# KiCad board panel.kicad_pcb (continued)
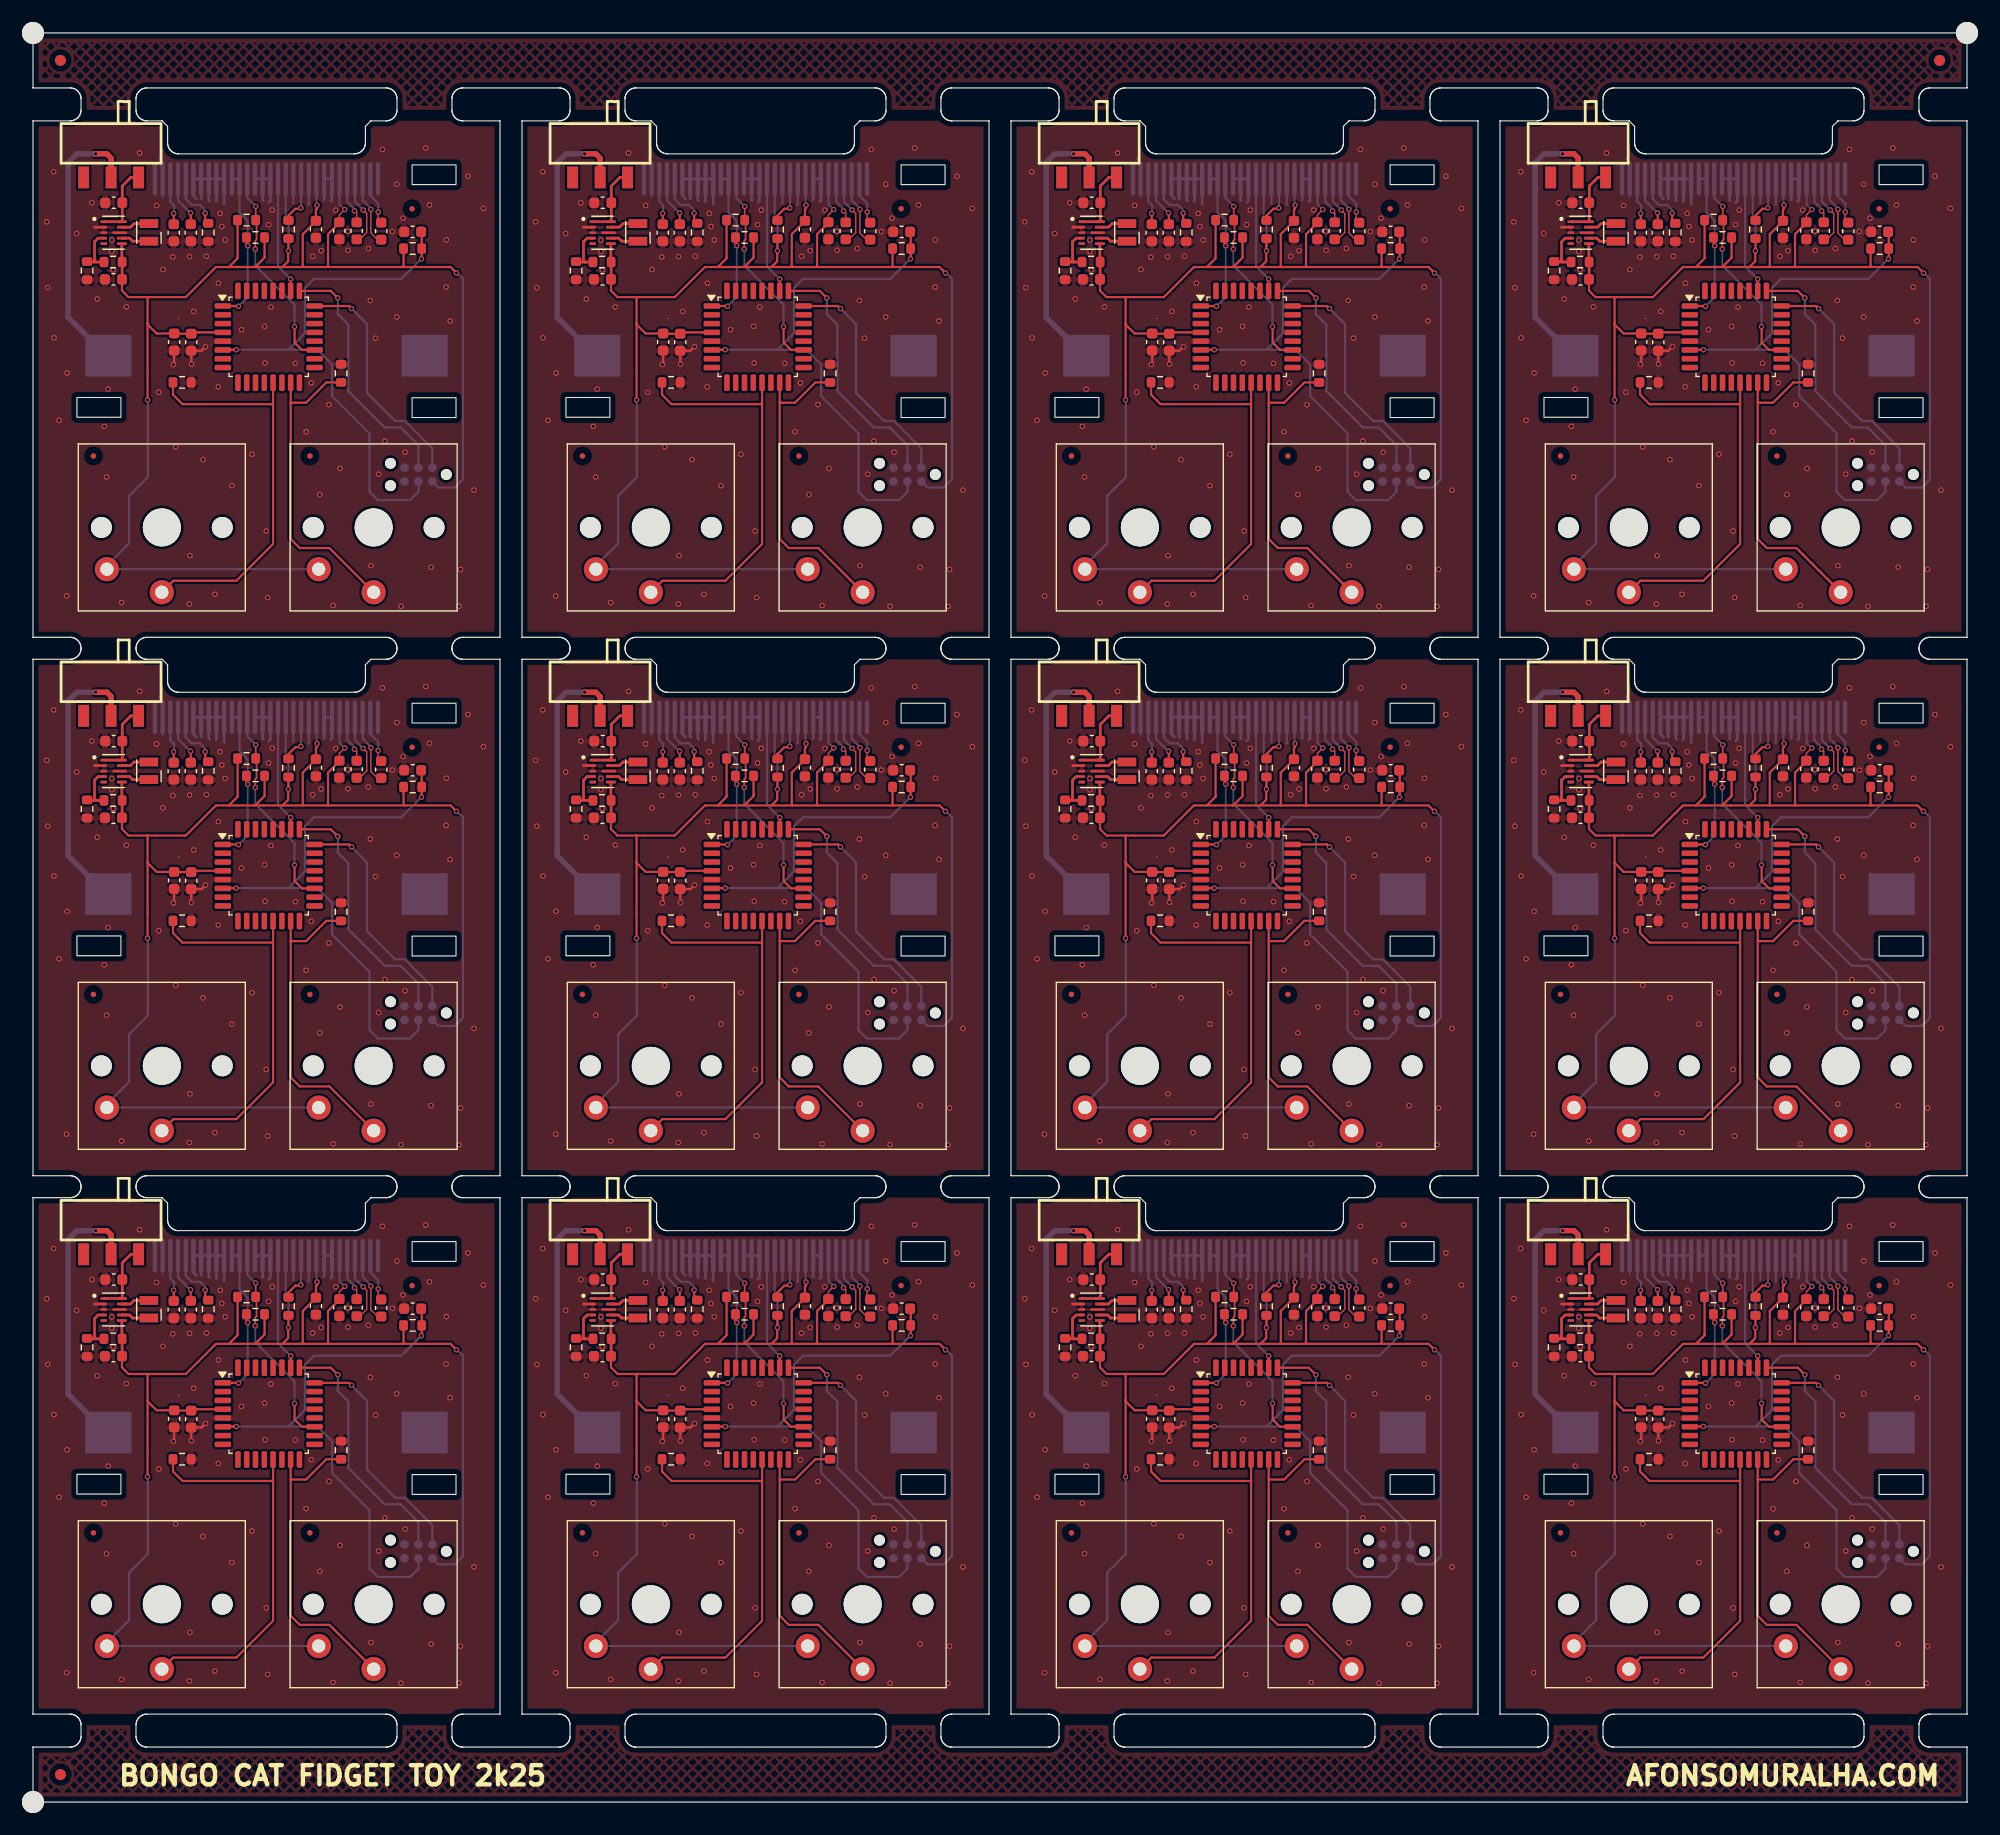
[diagram p0: board, top side]
## Routing (per net, layer and track width the routed paths; a pad name or vN(x,y) marks a point on that pad's centre or on a via; arc(x,y) is an arc through that point) (continued)
  Top w0.25: U101#3.6 52.59,42.18 R6#8.1 52.61,40.59 C2.1 52.58,40.58
  Bottom w0.2: v1(72.87,46.93) 72.4,47.4 J1#12.6 ; 83.08,41.21 83.08,41.18 83.62,40.64 83.62,22.38 82.88,21.63 81.4,21.63 J4#4.1 ; v1(54.92,29.6) 54.95,29.58 54.95,22.58 53.25,20.88 53.25,16.55 51.22,14.53 SW1#9.2 SW2#6.2 ; v1(67.75,43.18) 67.75,45.95 67.5,46.2 J1#12.13 ; v1(70.35,47.33) 70.3,47.38 J1#12.9
Board_9-/BS1: length 4.5
  Top w0.2: R101#5.1 67.75,46.38 68.38,47 68.8,47 v1(68.88,47.08)
  Bottom w0.2: J1#12.11 68.9,47.45 68.88,47.43 v1(68.88,47.08)
Board_9-/OLED_RST: length 10.7
  Top w0.2: v1(67.95,40.6) U1#11.26
  Bottom w0.2: J1#12.14 66.8,41.75 v1(67.95,40.6)
Board_9-/RST: length 50
  Top w0.127: 79.62,43.32 79.56,43.38
  Top w0.2: v1(63,34.18) 61.8,34.18 U1#11.6 ; 79.82,44.9 79.88,44.85 R8#12.2 79.88,42.48 v1(79.85,42.45)
  Bottom w0.2: 67.75,34.18 70.38,34.18 71.73,32.82 71.73,29.95 75.12,26.56 75.12,21.25 75.88,20.49 78.81,20.49 79.57,21.25 J4#4.3 ; 67.75,34.18 69.25,35.68 69.25,39.8 70.07,40.63 78.03,40.63 v1(79.85,42.45) ; 67.75,34.18 v1(63,34.18)
Board_9-/SCL: length 19.1
  Top w0.127: v1(64.73,43.33) 64.65,43.41
  Top w0.152: v1(64.73,43.33) 64.73,44.09 64.84,44.21 64.84,45.98 64.77,46.06 v1(64.77,47.22)
  Top w0.2: U1#11.19 68.98,34.15 68.31,34.82 68.31,36.31
  Bottom w0.15: 64.7,43.45 64.72,43.43
  Bottom w0.2: v1(64.77,47.22) 64,47.99 J1#12.18 ; v1(68.3,36.28) 68.3,38.28 64.73,41.85 v1(64.73,43.33)
Board_9-/SDA: length 15.6
  Top w0.127: 64.05,44.56 64.14,44.65 ; U1#11.1 61.71,38.09
  Top w0.152: v1(64.04,43.64) 63.92,43.76 R12#11.1
  Top w0.2: U1#11.1 63.23,38.15 63.31,38.07
  Bottom w0.127: 64.02,43.63 64,43.65
  Bottom w0.2: v1(63.2,38.13) 64.04,38.97 v1(64.04,43.64) 64.04,45.91 63.3,46.65 J1#12.19
  Bottom w0.25: J1#12.20 J1#12.19
Board_9-/SW1: length 37.3
  Top w0.127: 57.53,31.17 57.56,31.2
  Top w0.2: R1#4.1 57.24,30.08 58.11,29.22 66.32,29.22 66.35,29.25 ; 66.35,29.25 66.35,16.49 63.01,13.15 57.28,13.15 SW1#9.1 ; 66.35,29.25 U1#11.13
Board_9-/SW2: length 29.1
  Top w0.2: R2#7.1 71.19,31.2 69.35,29.35 67.95,29.35 ; SW2#6.1 71.47,16.13 68.78,16.13 67.95,16.95 67.95,29.35 ; 67.95,29.35 U1#11.15
Board_9-/SWCLK: length 23.1
  Top w0.2: v1(72.24,38.89) 71.6,39.53 U1#11.25
  Bottom w0.2: J4#4.4 79.57,25.49 77.96,27.1 76.51,27.1 73.2,30.41 73.2,36.45 72.24,37.41 v1(72.24,38.89)
Board_9-/SWDIO: length 21.5
  Top w0.127: 69.98,38.17 69.97,38.16
  Top w0.2: U1#11.24 73.26,38.15 v1(73.49,37.92)
  Bottom w0.2: v1(73.49,37.92) 74.9,36.51 74.9,30.25 77.46,27.69 78.34,27.69 80.84,25.19 J4#4.2
Board_9-/UART_TX: length 0.1
  Top w0.127: 64.75,39.71 64.76,39.72 64.76,39.81
Board_9-GND: length 36.7
  Top w0.127: 57.75,37.02 57.78,37.02
  Top w0.2: v1(58.92,32.88) 58.9,32.9 C3#3.2 59.83,34.08 v1(60.2,34.45) ; v1(57.28,32.83) 57.35,32.9 C4#5.2
  Top w0.25: 51,40.39 51.08,40.31 ; 50.1,45.33 U101#3.2
  Bottom w0.127: 73.01,43.22 73.1,43.31 ; 56.3,48 56.3,51.25 55.95,51.6
  Bottom w0.2: 69.57,47.35 69.6,47.38 J1#12.10 ; 68.18,47.5 68.2,47.53 J1#12.12
  Bottom w0.25: J1#12.16 J1#12.15 66.1,47.73 65.95,47.58 ; J1#12.16 J1#12.17 ; J1#12.16 65.4,47.8 65.45,47.75 ; 59.38,47.93 59.1,48.2 J1#12.25 J1#12.24 ; J1#12.24 59.8,47.95 59.85,47.9 ; J1#12.24 J1#12.23 ; J1#12.23 60.5,47.8 60.58,47.73 ; J1#12.23 J1#12.22 ; J1#12.22 61.2,47.73 61.15,47.68 ; J1#12.22 J1#12.21 61.9,47.43 ; 70.97,47.8 71,47.83 J1#12.8 J1#12.7 71.7,47.78 71.6,47.68
  vias: v1(45.75,45.81) v1(45.85,39.82) v1(46.38,50.38) v1(46.42,35.26) v1(46.88,27.74) v1(47.61,32.06) v1(47.56,11.78) v1(48.47,44.75) v1(49.85,47.55) v1(50.35,38.8) v1(50.99,27.2) v1(51.2,22.6) v1(51.35,30.58) v1(51.67,44.15) v1(51.67,43.13) v1(51.8,41.43) v1(52.57,11.16) v1(53,38.08) v1(54.2,52.08) v1(55.75,47.3) v1(55.95,30.3) v1(56.33,41.48) v1(57.22,42.6) v1(57.49,25.33) v1(58.75,42.65) v1(58.73,11.02) v1(58.79,15.44) v1(59.12,37.65) v1(59.97,24.18) v1(60.28,42.68) v1(61.06,11.92) v1(61.38,40.23) v1(61.36,30.81) v1(61.54,46.58) v1(61.69,45.38) v1(61.99,44.16) v1(62.6,21.8) v1(63.47,36) v1(64.42,24.66) v1(65.58,36.3) v1(65.62,32.98) v1(65.72,17.67) v1(65.85,11.62) v1(65.94,45.56) v1(66.15,38.05) v1(66.27,46.89) v1(68.39,32.94) v1(69.35,26.7) v1(69.82,31.15) v1(69.95,42.68) v1(70.6,21) v1(70.72,43.19) v1(71.43,29.18) v1(71.82,10.89) v1(72.05,46.88) v1(72.44,23.36) v1(73.15,44.95) v1(73.18,43.22) v1(75.02,43.39) v1(75.2,38.65) v1(75.25,14.52) v1(75.68,35.23) v1(75.96,22.85) v1(76.3,52.4) v1(76.52,25.86) v1(77.2,44.93) v1(77.61,49.24) v1(77.6,37.16) v1(77.99,10.82) v1(78.18,46.15) v1(78.37,24.84) v1(80.24,52.52) v1(80.58,47.35) v1(80.73,14.38) v1(82.12,44.18) v1(82.1,39.88) v1(82.45,36.79) v1(83.27,10.82) v1(83.41,14.18) v1(84.08,49.97) v1(84.62,21.4) v1(85.49,47.04)
Board_9-Net-(BT1-+): length 25.3
  Top w0.5: v1(50.2,52) 51.22,52 51.61,51.62 SW5#12.2
  Bottom w0.5: BT1#9.1 51.19,33.63 47.7,37.12 47.7,51.2 48.5,52 v1(50.2,52)
Board_9-Net-(J1-Pin_2): length 4.3
  Top w0.127: v1(75.92,46.7) 75.9,46.68 75.9,45.73
  Bottom w0.2: J1#12.2 75.2,48.2 75.92,47.48 v1(75.92,46.7)
Board_9-Net-(J1-Pin_3): length 6.4
  Top w0.127: v1(75.25,46.95) 75.25,44.79 75.85,44.19 C9#6.1
  Bottom w0.2: v1(75.25,46.95) 75.25,47.04 74.5,47.79 J1#12.3
Board_9-Net-(J1-Pin_4): length 6.5
  Top w0.127: C8#8.2 74.25,44.22 74.87,44.84 74.87,46.57 v1(74.55,46.89)
  Bottom w0.2: v1(74.55,46.89) 74.55,46.9 73.8,47.65 J1#12.4
Board_9-Net-(J1-Pin_5): length 4.3
  Top w0.127: v1(73.76,46.81) 73.96,46.61 C8#8.1
  Bottom w0.2: J1#12.5 73.1,47.65 73.76,46.99 v1(73.76,46.81)
Board_9-Net-(J1-Pin_26): length 5
  Top w0.15: 60.17,45.9 60.15,45.88
  Top w0.2: v1(60.17,46.6) 60.17,45.9
  Bottom w0.2: v1(60.17,46.6) 60.17,46.88 59.7,47.35 58.95,47.35 58.4,47.9 J1#12.26
Board_9-Net-(J1-Pin_27): length 4.6
  Top w0.15: 58.86,46.61 v1(58.84,46.63)
  Top w0.2: C12#9.2 58.86,46.61
  Bottom w0.2: v1(58.84,46.63) 58.82,46.63 57.7,47.75 J1#12.27
Board_9-Net-(J1-Pin_28): length 4.3
  Top w0.15: 57.31,46.57 v1(57.3,46.58)
  Top w0.2: C13#9.2 57.31,46.57
  Bottom w0.2: v1(57.3,46.58) 57.35,46.63 57.35,47.3 57,47.65 J1#12.28
Board_9-Net-(SW5-A): length 6.7
  Top w0.25: U101#3.1 U101#3.10 52.62,45.86 C1#3.1 52.62,49.08 53.4,49.85 SW5#12.3
Board_9-Net-(U101-FB): length 4.4
  Top w0.25: U101#3.4 50.42,44.33 50.1,44 50.1,42.28 50.22,42.16 ; R6#8.2 50.22,42.16 ; 50.22,42.16 49.47,42.16 R4#8.1
Board_9-Net-(U101-L1): length 2.6
  Top w0.25: L102#6.1 53.7,45.65 53.38,45.33 U101#3.9
Board_9-Net-(U101-L2): length 2.6
  Top w0.25: L102#6.2 53.57,44.05 53.58,44.05 53.3,44.33 U101#3.7
Board_9-unconnected-(U1-PC14-Pad2): length 0
  Top w0.127: 61.75,37.33 U1#11.2
Board_10-3V3: length 148.5
  Top w0.127: 116.88,45.54 C10#3.2 116.88,46.44 v1(117.37,46.93) ; 123.04,43.38 122.75,43.09
  Top w0.2: 113.6,41.7 111.7,41.7 ; 113.6,41.7 115.9,41.7 ; 113.6,41.7 113.55,41.75 113.55,44.69 114.75,45.89 C11#8.2 114.75,46.92 114.85,47.02 v1(114.85,47.33) ; 111.7,41.7 112.22,42.23 112.22,43.15 v1(112.25,43.18) R101#9.2 ; 111.7,41.7 109.22,41.7 ; 122.75,41.7 115.9,41.7 ; 122.75,41.7 122.72,41.73 122.72,43.38 ; 122.75,41.7 127,41.7 v1(127.54,41.16) ; 115.9,41.7 115.85,41.75 115.85,44.69 116.79,45.63 116.88,45.54 ; 106.82,41.7 105.65,41.7 102.91,38.96 99.43,38.96 ; 106.82,41.7 109.22,41.7 ; 106.82,41.7 107.62,42.49 R13#9.2 ; 109.22,41.7 110.07,42.55 R12.2 ; 99.43,38.96 99.43,36.58 ; 99.43,38.96 97.69,38.96 97.1,39.55 C2#9.1 ; 99.43,36.58 v1(99.43,29.6) ; 99.43,36.58 99.43,36.48 100.25,35.65 C4#11.1 101.87,35.63 C3#12.1 103.52,35.75 106.28,35.75
  Top w0.25: 97.07,40.58 C2#9.1 97.12,40.59 97.12,42.16 97.09,42.18 U101#11.6
  Bottom w0.2: v1(99.43,29.6) 99.45,29.58 99.45,22.58 97.75,20.88 97.75,16.55 95.72,14.53 SW1#8.2 SW2.2 ; v1(112.25,43.18) 112.25,45.95 112,46.2 J1#2.13 ; v1(117.37,46.93) 116.9,47.4 J1#2.6 ; J4#5.1 125.9,21.63 127.38,21.63 128.12,22.38 128.12,40.64 127.58,41.18 127.58,41.21 ; v1(114.85,47.33) 114.8,47.38 J1#2.9
Board_10-/BS1: length 4.5
  Top w0.2: R101#9.1 112.25,46.38 112.88,47 113.3,47 v1(113.38,47.08)
  Bottom w0.2: v1(113.38,47.08) 113.38,47.43 113.4,47.45 J1#2.11
Board_10-/OLED_RST: length 10.7
  Top w0.2: v1(112.45,40.6) U1#5.26
  Bottom w0.2: v1(112.45,40.6) 111.3,41.75 J1#2.14
Board_10-/RST: length 50
  Top w0.127: 124.12,43.32 124.06,43.38
  Top w0.2: 106.28,34.15 106.3,34.18 v1(107.5,34.18) ; v1(124.35,42.45) 124.38,42.48 R8#4.2 124.38,44.85 124.32,44.9
  Bottom w0.2: 112.25,34.18 114.88,34.18 116.23,32.82 116.23,29.95 119.62,26.56 119.62,21.25 120.38,20.49 123.31,20.49 124.07,21.25 J4#5.3 ; 112.25,34.18 v1(107.5,34.18) ; 112.25,34.18 113.75,35.68 113.75,39.8 114.57,40.63 122.53,40.63 v1(124.35,42.45)
Board_10-/SCL: length 19.1
  Top w0.127: v1(109.23,43.33) 109.15,43.41
  Top w0.152: v1(109.27,47.22) 109.27,46.06 109.34,45.98 109.34,44.21 109.23,44.09 v1(109.23,43.33)
  Top w0.2: U1#5.19 113.48,34.15 112.81,34.82 112.81,36.31
  Bottom w0.15: 109.2,43.45 109.22,43.43
  Bottom w0.2: v1(109.27,47.22) 108.5,47.99 J1#2.18 ; v1(112.8,36.28) 112.8,38.28 109.23,41.85 v1(109.23,43.33)
Board_10-/SDA: length 15.6
  Top w0.127: 106.28,38.15 106.21,38.09 ; 108.55,44.56 108.64,44.65
  Top w0.152: v1(108.54,43.64) 108.43,43.76 R12.1
  Top w0.2: 107.81,38.07 107.73,38.15 106.28,38.15
  Bottom w0.127: 108.52,43.63 108.5,43.65
  Bottom w0.2: J1#2.19 107.8,46.65 108.54,45.91 v1(108.54,43.64) 108.54,38.97 v1(107.7,38.13)
  Bottom w0.25: J1#2.20 J1#2.19
Board_10-/SW1: length 37.3
  Top w0.127: 102.03,31.17 102.06,31.2
  Top w0.2: 110.85,29.25 110.85,16.49 107.51,13.15 101.78,13.15 SW1#8.1 ; 110.85,29.25 110.82,29.22 102.6,29.22 101.74,30.08 R1.1 ; 110.85,29.25 U1#5.13
Board_10-/SW2: length 29.1
  Top w0.2: 112.45,29.35 112.45,16.95 113.28,16.13 115.97,16.13 SW2.1 ; 112.45,29.35 113.85,29.35 115.69,31.2 R2#3.1 ; 112.45,29.35 U1#5.15
Board_10-/SWCLK: length 23.1
  Top w0.2: U1#5.25 116.1,39.53 v1(116.74,38.89)
  Bottom w0.2: J4#5.4 124.07,25.49 122.46,27.1 121.01,27.1 117.7,30.41 117.7,36.45 116.74,37.41 v1(116.74,38.89)
Board_10-/SWDIO: length 21.5
  Top w0.127: 114.48,38.17 114.47,38.16
  Top w0.2: v1(117.99,37.92) 117.76,38.15 U1#5.24
  Bottom w0.2: v1(117.99,37.92) 119.4,36.51 119.4,30.25 121.96,27.69 122.84,27.69 125.34,25.19 J4#5.2
Board_10-/UART_TX: length 0.1
  Top w0.127: 109.26,39.81 109.26,39.72 109.25,39.71
Board_10-GND: length 36.7
  Top w0.127: 102.25,37.02 102.28,37.02
  Top w0.2: v1(103.43,32.88) 103.4,32.9 C3#12.2 104.33,34.08 v1(104.7,34.45) ; v1(101.78,32.83) 101.85,32.9 C4#11.2
  Top w0.25: 95.5,40.39 95.58,40.31 ; 94.6,45.33 U101#11.2
  Bottom w0.127: 100.45,51.6 100.8,51.25 100.8,48 ; 117.51,43.22 117.6,43.31
  Bottom w0.2: J1#2.10 114.1,47.38 114.07,47.35 ; 112.68,47.5 112.7,47.53 J1#2.12
  Bottom w0.25: 109.95,47.75 109.9,47.8 J1#2.16 ; J1#2.16 J1#2.15 110.6,47.73 110.45,47.58 ; J1#2.16 J1#2.17 ; 116.1,47.68 116.2,47.78 J1#2.7 J1#2.8 115.5,47.83 115.47,47.8 ; J1#2.23 J1#2.22 ; J1#2.23 J1#2.24 ; J1#2.23 105,47.8 105.07,47.73 ; J1#2.22 105.7,47.73 105.65,47.68 ; J1#2.22 J1#2.21 106.4,47.43 ; 104.35,47.9 104.3,47.95 J1#2.24 ; J1#2.24 J1#2.25 103.6,48.2 103.88,47.93
  vias: v1(90.25,45.81) v1(90.35,39.82) v1(90.88,50.38) v1(90.92,35.26) v1(91.38,27.74) v1(92.11,32.06) v1(92.06,11.78) v1(92.97,44.75) v1(94.35,47.55) v1(94.85,38.8) v1(95.49,27.2) v1(95.7,22.6) v1(95.85,30.58) v1(96.18,44.15) v1(96.18,43.13) v1(96.3,41.43) v1(97.07,11.16) v1(97.5,38.08) v1(98.7,52.08) v1(100.25,47.3) v1(100.45,30.3) v1(100.82,41.48) v1(101.72,42.6) v1(101.99,25.33) v1(103.23,11.02) v1(103.25,42.65) v1(103.29,15.44) v1(103.62,37.65) v1(104.47,24.18) v1(104.78,42.68) v1(105.56,11.92) v1(105.88,40.23) v1(105.86,30.81) v1(106.04,46.58) v1(106.19,45.38) v1(106.49,44.16) v1(107.1,21.8) v1(107.97,36) v1(108.92,24.66) v1(110.07,36.3) v1(110.12,32.98) v1(110.22,17.67) v1(110.35,11.62) v1(110.44,45.56) v1(110.65,38.05) v1(110.77,46.89) v1(112.89,32.94) v1(113.85,26.7) v1(114.32,31.15) v1(114.45,42.68) v1(115.1,21) v1(115.22,43.19) v1(115.93,29.18) v1(116.32,10.89) v1(116.55,46.88) v1(116.94,23.36) v1(117.65,44.95) v1(117.68,43.22) v1(119.52,43.39) v1(119.7,38.65) v1(119.75,14.52) v1(120.18,35.23) v1(120.46,22.85) v1(120.8,52.4) v1(121.02,25.86) v1(121.7,44.93) v1(122.11,49.24) v1(122.1,37.16) v1(122.49,10.82) v1(122.68,46.15) v1(122.87,24.84) v1(124.74,52.52) v1(125.08,47.35) v1(125.23,14.38) v1(126.62,44.18) v1(126.6,39.88) v1(126.95,36.79) v1(127.77,10.82) v1(127.91,14.18) v1(128.58,49.97) v1(129.12,21.4) v1(129.99,47.04)
Board_10-Net-(BT1-+): length 25.3
  Top w0.5: v1(94.7,52) 95.72,52 96.11,51.62 SW5#10.2
  Bottom w0.5: v1(94.7,52) 93,52 92.2,51.2 92.2,37.12 95.69,33.63 BT1#6.1
Board_10-Net-(J1-Pin_2): length 4.3
  Top w0.127: 120.4,45.73 120.4,46.68 v1(120.42,46.7)
  Bottom w0.2: J1#2.2 119.7,48.2 120.42,47.48 v1(120.42,46.7)
Board_10-Net-(J1-Pin_3): length 6.4
  Top w0.127: v1(119.75,46.95) 119.75,44.79 120.35,44.19 C9#12.1
  Bottom w0.2: J1#2.3 119,47.79 119.75,47.04 v1(119.75,46.95)
Board_10-Net-(J1-Pin_4): length 6.5
  Top w0.127: v1(119.05,46.89) 119.37,46.57 119.37,44.84 118.75,44.22 C8#10.2
  Bottom w0.2: J1#2.4 118.3,47.65 119.05,46.9 v1(119.05,46.89)
Board_10-Net-(J1-Pin_5): length 4.3
  Top w0.127: v1(118.26,46.81) 118.46,46.61 C8#10.1
  Bottom w0.2: v1(118.26,46.81) 118.26,46.99 117.6,47.65 J1#2.5
Board_10-Net-(J1-Pin_26): length 5
  Top w0.15: 104.67,45.9 104.65,45.88
  Top w0.2: v1(104.67,46.6) 104.67,45.9
  Bottom w0.2: v1(104.67,46.6) 104.67,46.88 104.2,47.35 103.45,47.35 102.9,47.9 J1#2.26
Board_10-Net-(J1-Pin_27): length 4.6
  Top w0.15: 103.36,46.61 v1(103.34,46.63)
  Top w0.2: C12#7.2 103.36,46.61
  Bottom w0.2: v1(103.34,46.63) 103.32,46.63 102.2,47.75 J1#2.27
Board_10-Net-(J1-Pin_28): length 4.3
  Top w0.15: 101.81,46.57 v1(101.8,46.58)
  Top w0.2: C13#5.2 101.81,46.57
  Bottom w0.2: v1(101.8,46.58) 101.85,46.63 101.85,47.3 101.5,47.65 J1#2.28
Board_10-Net-(SW5-A): length 6.7
  Top w0.25: U101#11.1 U101#11.10 97.12,45.86 C1#5.1 97.12,49.08 97.9,49.85 SW5#10.3
Board_10-Net-(U101-FB): length 4.4
  Top w0.25: R6#4.2 94.72,42.16 ; 94.72,42.16 93.97,42.16 R4#3.1 ; 94.72,42.16 94.6,42.28 94.6,44 94.93,44.33 U101#11.4
Board_10-Net-(U101-L1): length 2.6
  Top w0.25: U101#11.9 97.88,45.33 98.2,45.65 L102.1
Board_10-Net-(U101-L2): length 2.6
  Top w0.25: L102.2 98.07,44.05 98.07,44.05 97.8,44.33 U101#11.7
Board_10-unconnected-(U1-PC14-Pad2): length 0
  Top w0.127: 106.25,37.33 106.28,37.35
Board_11-3V3: length 148.5
  Top w0.127: 167.54,43.38 167.25,43.09 ; v1(161.87,46.93) 161.38,46.44 C10.2 161.38,45.54
  Top w0.2: R101#4.2 v1(156.75,43.18) 156.72,43.15 156.72,42.23 156.2,41.7 ; 167.22,43.38 167.22,41.73 167.25,41.7 ; 143.93,36.58 143.93,36.48 144.75,35.65 C4#2.1 146.37,35.63 C3#4.1 148.02,35.75 150.78,35.75 ; 143.93,36.58 v1(143.93,29.6) ; 143.93,36.58 143.93,38.96 ; 167.25,41.7 160.4,41.7 ; 167.25,41.7 171.5,41.7 v1(172.04,41.16) ; 160.4,41.7 158.1,41.7 ; 160.4,41.7 160.35,41.75 160.35,44.69 161.29,45.63 161.38,45.54 ; R12#10.2 154.57,42.55 153.72,41.7 ; 143.93,38.96 147.41,38.96 150.15,41.7 151.32,41.7 ; 143.93,38.96 142.19,38.96 141.6,39.55 C2#5.1 ; 153.72,41.7 151.32,41.7 ; 153.72,41.7 156.2,41.7 ; 158.1,41.7 158.05,41.75 158.05,44.69 159.25,45.89 C11#10.2 159.25,46.92 159.35,47.02 v1(159.35,47.33) ; 158.1,41.7 156.2,41.7 ; 151.32,41.7 152.12,42.49 R13#2.2
  Top w0.25: U101#7.6 141.59,42.18 141.62,42.16 141.62,40.59 C2#5.1 141.57,40.58
  Bottom w0.2: v1(159.35,47.33) 159.3,47.38 J1#4.9 ; J1#4.6 161.4,47.4 v1(161.87,46.93) ; v1(143.93,29.6) 143.95,29.58 143.95,22.58 142.25,20.88 142.25,16.55 140.22,14.53 SW1#3.2 SW2#7.2 ; v1(156.75,43.18) 156.75,45.95 156.5,46.2 J1#4.13 ; 172.08,41.21 172.08,41.18 172.62,40.64 172.62,22.38 171.88,21.63 170.4,21.63 J4.1
Board_11-/BS1: length 4.5
  Top w0.2: R101#4.1 156.75,46.38 157.38,47 157.8,47 v1(157.88,47.08)
  Bottom w0.2: v1(157.88,47.08) 157.88,47.43 157.9,47.45 J1#4.11
Board_11-/OLED_RST: length 10.7
  Top w0.2: v1(156.95,40.6) U1#10.26
  Bottom w0.2: J1#4.14 155.8,41.75 v1(156.95,40.6)
Board_11-/RST: length 50
  Top w0.127: 168.62,43.32 168.56,43.38
  Top w0.2: 168.82,44.9 168.88,44.85 R8#6.2 168.88,42.48 v1(168.85,42.45) ; 150.78,34.15 150.8,34.18 v1(152,34.18)
  Bottom w0.2: 156.75,34.18 v1(152,34.18) ; 156.75,34.18 159.38,34.18 160.73,32.82 160.73,29.95 164.12,26.56 164.12,21.25 164.88,20.49 167.81,20.49 168.57,21.25 J4.3 ; 156.75,34.18 158.25,35.68 158.25,39.8 159.07,40.63 167.03,40.63 v1(168.85,42.45)
Board_11-/SCL: length 19.1
  Top w0.127: v1(153.73,43.33) 153.65,43.41
  Top w0.152: v1(153.73,43.33) 153.73,44.09 153.84,44.21 153.84,45.98 153.77,46.06 v1(153.77,47.22)
  Top w0.2: U1#10.19 157.98,34.15 157.31,34.82 157.31,36.31
  Bottom w0.15: 153.7,43.45 153.72,43.43
  Bottom w0.2: J1#4.18 153,47.99 v1(153.77,47.22) ; v1(153.73,43.33) 153.73,41.85 157.3,38.28 v1(157.3,36.28)
Board_11-/SDA: length 15.6
  Top w0.127: 153.05,44.56 153.14,44.65 ; 150.78,38.15 150.71,38.09
  Top w0.152: v1(153.04,43.64) 152.93,43.76 R12#10.1
  Top w0.2: 150.78,38.15 152.23,38.15 152.31,38.07
  Bottom w0.127: 153.02,43.63 153,43.65
  Bottom w0.2: v1(152.2,38.13) 153.04,38.97 v1(153.04,43.64) 153.04,45.91 152.3,46.65 J1#4.19
  Bottom w0.25: J1#4.20 J1#4.19
Board_11-/SW1: length 37.3
  Top w0.127: 146.53,31.17 146.56,31.2
  Top w0.2: U1#10.13 155.35,29.25 ; 155.35,29.25 155.32,29.22 147.1,29.22 146.24,30.08 R1#8.1 ; 155.35,29.25 155.35,16.49 152.01,13.15 146.28,13.15 SW1#3.1
Board_11-/SW2: length 29.1
  Top w0.2: 156.95,29.35 158.35,29.35 160.19,31.2 R2#10.1 ; 156.95,29.35 U1#10.15 ; 156.95,29.35 156.95,16.95 157.78,16.13 160.47,16.13 SW2#7.1
Board_11-/SWCLK: length 23.1
  Top w0.2: v1(161.24,38.89) 160.6,39.53 U1#10.25
  Bottom w0.2: J4.4 168.57,25.49 166.96,27.1 165.51,27.1 162.2,30.41 162.2,36.45 161.24,37.41 v1(161.24,38.89)
Board_11-/SWDIO: length 21.5
  Top w0.127: 158.98,38.17 158.97,38.16
  Top w0.2: U1#10.24 162.26,38.15 v1(162.49,37.92)
  Bottom w0.2: v1(162.49,37.92) 163.9,36.51 163.9,30.25 166.46,27.69 167.34,27.69 169.84,25.19 J4.2
Board_11-/UART_TX: length 0.1
  Top w0.127: 153.76,39.81 153.76,39.72 153.75,39.71
Board_11-GND: length 36.7
  Top w0.127: 146.75,37.02 146.78,37.02
  Top w0.2: v1(146.28,32.83) 146.35,32.9 C4#2.2 ; v1(149.2,34.45) 148.83,34.08 C3#4.2 147.9,32.9 v1(147.93,32.88)
  Top w0.25: 140,40.39 140.08,40.31 ; 139.1,45.33 U101#7.2
  Bottom w0.127: 144.95,51.6 145.3,51.25 145.3,48 ; 162.01,43.22 162.1,43.31
  Bottom w0.2: J1#4.10 158.6,47.38 158.57,47.35 ; 157.18,47.5 157.2,47.53 J1#4.12
  Bottom w0.25: 149.57,47.73 149.5,47.8 J1#4.23 ; J1#4.24 148.8,47.95 148.85,47.9 ; J1#4.24 J1#4.25 148.1,48.2 148.38,47.93 ; J1#4.24 J1#4.23 ; 150.15,47.68 150.2,47.73 J1#4.22 ; J1#4.23 J1#4.22 ; J1#4.16 J1#4.15 155.1,47.73 154.95,47.58 ; J1#4.16 J1#4.17 ; J1#4.16 154.4,47.8 154.45,47.75 ; J1#4.22 J1#4.21 150.9,47.43 ; 160.6,47.68 160.7,47.78 J1#4.7 J1#4.8 160,47.83 159.97,47.8
  vias: v1(134.75,45.81) v1(134.85,39.82) v1(135.38,50.38) v1(135.42,35.26) v1(135.88,27.74) v1(136.61,32.06) v1(136.56,11.78) v1(137.47,44.75) v1(138.85,47.55) v1(139.35,38.8) v1(139.99,27.2) v1(140.2,22.6) v1(140.35,30.58) v1(140.68,44.15) v1(140.68,43.13) v1(140.8,41.43) v1(141.57,11.16) v1(142,38.08) v1(143.2,52.08) v1(144.75,47.3) v1(144.95,30.3) v1(145.32,41.48) v1(146.22,42.6) v1(146.49,25.33) v1(147.75,42.65) v1(147.73,11.02) v1(147.79,15.44) v1(148.12,37.65) v1(148.97,24.18) v1(149.28,42.68) v1(150.06,11.92) v1(150.38,40.23) v1(150.36,30.81) v1(150.54,46.58) v1(150.69,45.38) v1(150.99,44.16) v1(151.6,21.8) v1(152.47,36) v1(153.42,24.66) v1(154.57,36.3) v1(154.62,32.98) v1(154.72,17.67) v1(154.85,11.62) v1(154.94,45.56) v1(155.15,38.05) v1(155.27,46.89) v1(157.39,32.94) v1(158.35,26.7) v1(158.82,31.15) v1(158.95,42.68) v1(159.6,21) v1(159.72,43.19) v1(160.43,29.18) v1(160.82,10.89) v1(161.05,46.88) v1(161.44,23.36) v1(162.15,44.95) v1(162.18,43.22) v1(164.02,43.39) v1(164.2,38.65) v1(164.25,14.52) v1(164.68,35.23) v1(164.96,22.85) v1(165.3,52.4) v1(165.52,25.86) v1(166.2,44.93) v1(166.61,49.24) v1(166.6,37.16) v1(166.99,10.82) v1(167.18,46.15) v1(167.37,24.84) v1(169.24,52.52) v1(169.58,47.35) v1(169.73,14.38) v1(171.12,44.18) v1(171.1,39.88) v1(171.45,36.79) v1(172.27,10.82) v1(172.41,14.18) v1(173.08,49.97) v1(173.62,21.4) v1(174.49,47.04)
Board_11-Net-(BT1-+): length 25.3
  Top w0.5: v1(139.2,52) 140.22,52 140.61,51.62 SW5#7.2
  Bottom w0.5: v1(139.2,52) 137.5,52 136.7,51.2 136.7,37.12 140.19,33.63 BT1#3.1
Board_11-Net-(J1-Pin_2): length 4.3
  Top w0.127: v1(164.92,46.7) 164.9,46.68 164.9,45.73
  Bottom w0.2: v1(164.92,46.7) 164.92,47.48 164.2,48.2 J1#4.2
Board_11-Net-(J1-Pin_3): length 6.4
  Top w0.127: v1(164.25,46.95) 164.25,44.79 164.85,44.19 C9.1
  Bottom w0.2: v1(164.25,46.95) 164.25,47.04 163.5,47.79 J1#4.3
Board_11-Net-(J1-Pin_4): length 6.5
  Top w0.127: v1(163.55,46.89) 163.87,46.57 163.87,44.84 163.25,44.22 C8#12.2
  Bottom w0.2: J1#4.4 162.8,47.65 163.55,46.9 v1(163.55,46.89)
Board_11-Net-(J1-Pin_5): length 4.3
  Top w0.127: C8#12.1 162.96,46.61 v1(162.76,46.81)
  Bottom w0.2: J1#4.5 162.1,47.65 162.76,46.99 v1(162.76,46.81)
Board_11-Net-(J1-Pin_26): length 5
  Top w0.15: 149.17,45.9 149.15,45.88
  Top w0.2: v1(149.17,46.6) 149.17,45.9
  Bottom w0.2: v1(149.17,46.6) 149.17,46.88 148.7,47.35 147.95,47.35 147.4,47.9 J1#4.26
Board_11-Net-(J1-Pin_27): length 4.6
  Top w0.15: 147.86,46.61 v1(147.84,46.63)
  Top w0.2: C12.2 147.86,46.61
  Bottom w0.2: J1#4.27 146.7,47.75 147.82,46.63 v1(147.84,46.63)
Board_11-Net-(J1-Pin_28): length 4.3
  Top w0.15: 146.31,46.57 v1(146.3,46.58)
  Top w0.2: C13.2 146.31,46.57
  Bottom w0.2: v1(146.3,46.58) 146.35,46.63 146.35,47.3 146,47.65 J1#4.28
Board_11-Net-(SW5-A): length 6.7
  Top w0.25: U101#7.1 U101#7.10 141.62,45.86 C1#6.1 141.62,49.08 142.4,49.85 SW5#7.3
Board_11-Net-(U101-FB): length 4.4
  Top w0.25: R6#12.2 139.22,42.16 ; 139.22,42.16 138.47,42.16 R4#7.1 ; 139.22,42.16 139.1,42.28 139.1,44 139.43,44.33 U101#7.4
Board_11-Net-(U101-L1): length 2.6
  Top w0.25: U101#7.9 142.38,45.33 142.7,45.65 L102#9.1
Board_11-Net-(U101-L2): length 2.6
  Top w0.25: L102#9.2 142.57,44.05 142.57,44.05 142.3,44.33 U101#7.7
Board_11-unconnected-(U1-PC14-Pad2): length 0
  Top w0.127: 150.75,37.33 150.78,37.35

## Copper pours and planes (outline as drawn; the poured copper is in the pictures)
(no net) on Top: 4.88,6 3.38,4.5 0.5,4.5 0.5,0.5 175.5,0.5 175.5,4.5 172.62,4.5 171.12,6 171.12,7 167.12,7 167.12,6 165.63,4.5 143.87,4.5 142.38,6 142.38,7 138.38,7 138.38,6 136.88,4.5 128.12,4.5 126.62,6 126.62,7 122.62,7 122.62,6 121.13,4.5 99.37,4.5 97.88,6 97.88,7 93.88,7 93.88,6 92.38,4.5 83.62,4.5 82.12,6 82.12,7 78.12,7 78.12,6 76.63,4.5 54.87,4.5 53.38,6 53.38,7 49.38,7 49.38,6 47.88,4.5 39.12,4.5 37.62,6 37.62,7 33.62,7 33.62,6 32.13,4.5 10.37,4.5 8.88,6 8.88,7 4.88,7
(no net) on Top: 0.5,156.5 3.38,156.5 4.88,155 4.88,154 8.88,154 8.88,155 10.37,156.5 32.13,156.5 33.62,155 33.62,154 37.62,154 37.62,155 39.12,156.5 47.88,156.5 49.38,155 49.38,154 53.38,154 53.38,155 54.87,156.5 76.63,156.5 78.12,155 78.12,154 82.12,154 82.12,155 83.62,156.5 92.38,156.5 93.88,155 93.88,154 97.88,154 97.88,155 99.37,156.5 121.13,156.5 122.62,155 122.62,154 126.62,154 126.62,155 128.12,156.5 136.88,156.5 138.38,155 138.38,154 142.38,154 142.38,155 143.87,156.5 165.63,156.5 167.12,155 167.12,154 171.12,154 171.12,155 172.62,156.5 175.5,156.5 175.5,160.5 0.5,160.5
(no net) on Bottom: 4.88,6 3.38,4.5 0.5,4.5 0.5,0.5 175.5,0.5 175.5,4.5 172.62,4.5 171.12,6 171.12,7 167.12,7 167.12,6 165.63,4.5 143.87,4.5 142.38,6 142.38,7 138.38,7 138.38,6 136.88,4.5 128.12,4.5 126.62,6 126.62,7 122.62,7 122.62,6 121.13,4.5 99.37,4.5 97.88,6 97.88,7 93.88,7 93.88,6 92.38,4.5 83.62,4.5 82.12,6 82.12,7 78.12,7 78.12,6 76.63,4.5 54.87,4.5 53.38,6 53.38,7 49.38,7 49.38,6 47.88,4.5 39.12,4.5 37.62,6 37.62,7 33.62,7 33.62,6 32.13,4.5 10.37,4.5 8.88,6 8.88,7 4.88,7
(no net) on Bottom: 0.5,156.5 3.38,156.5 4.88,155 4.88,154 8.88,154 8.88,155 10.37,156.5 32.13,156.5 33.62,155 33.62,154 37.62,154 37.62,155 39.12,156.5 47.88,156.5 49.38,155 49.38,154 53.38,154 53.38,155 54.87,156.5 76.63,156.5 78.12,155 78.12,154 82.12,154 82.12,155 83.62,156.5 92.38,156.5 93.88,155 93.88,154 97.88,154 97.88,155 99.37,156.5 121.13,156.5 122.62,155 122.62,154 126.62,154 126.62,155 128.12,156.5 136.88,156.5 138.38,155 138.38,154 142.38,154 142.38,155 143.87,156.5 165.63,156.5 167.12,155 167.12,154 171.12,154 171.12,155 172.62,156.5 175.5,156.5 175.5,160.5 0.5,160.5
Board_0-GND on Top, Bottom: 0,106 42.5,106 42.5,153.01 28.26,153.01 27.76,152.51 14.73,152.51 14.24,153 0,153
Board_1-GND on Top, Bottom: 44.5,106 87,106 87,153.01 72.76,153.01 72.26,152.51 59.23,152.51 58.74,153 44.5,153
Board_2-GND on Top, Bottom: 89,106 131.5,106 131.5,153.01 117.26,153.01 116.76,152.51 103.73,152.51 103.24,153 89,153
